# Altium PCB Copy of Hrafn425.PcbDoc (part 1 of 3) (continued)
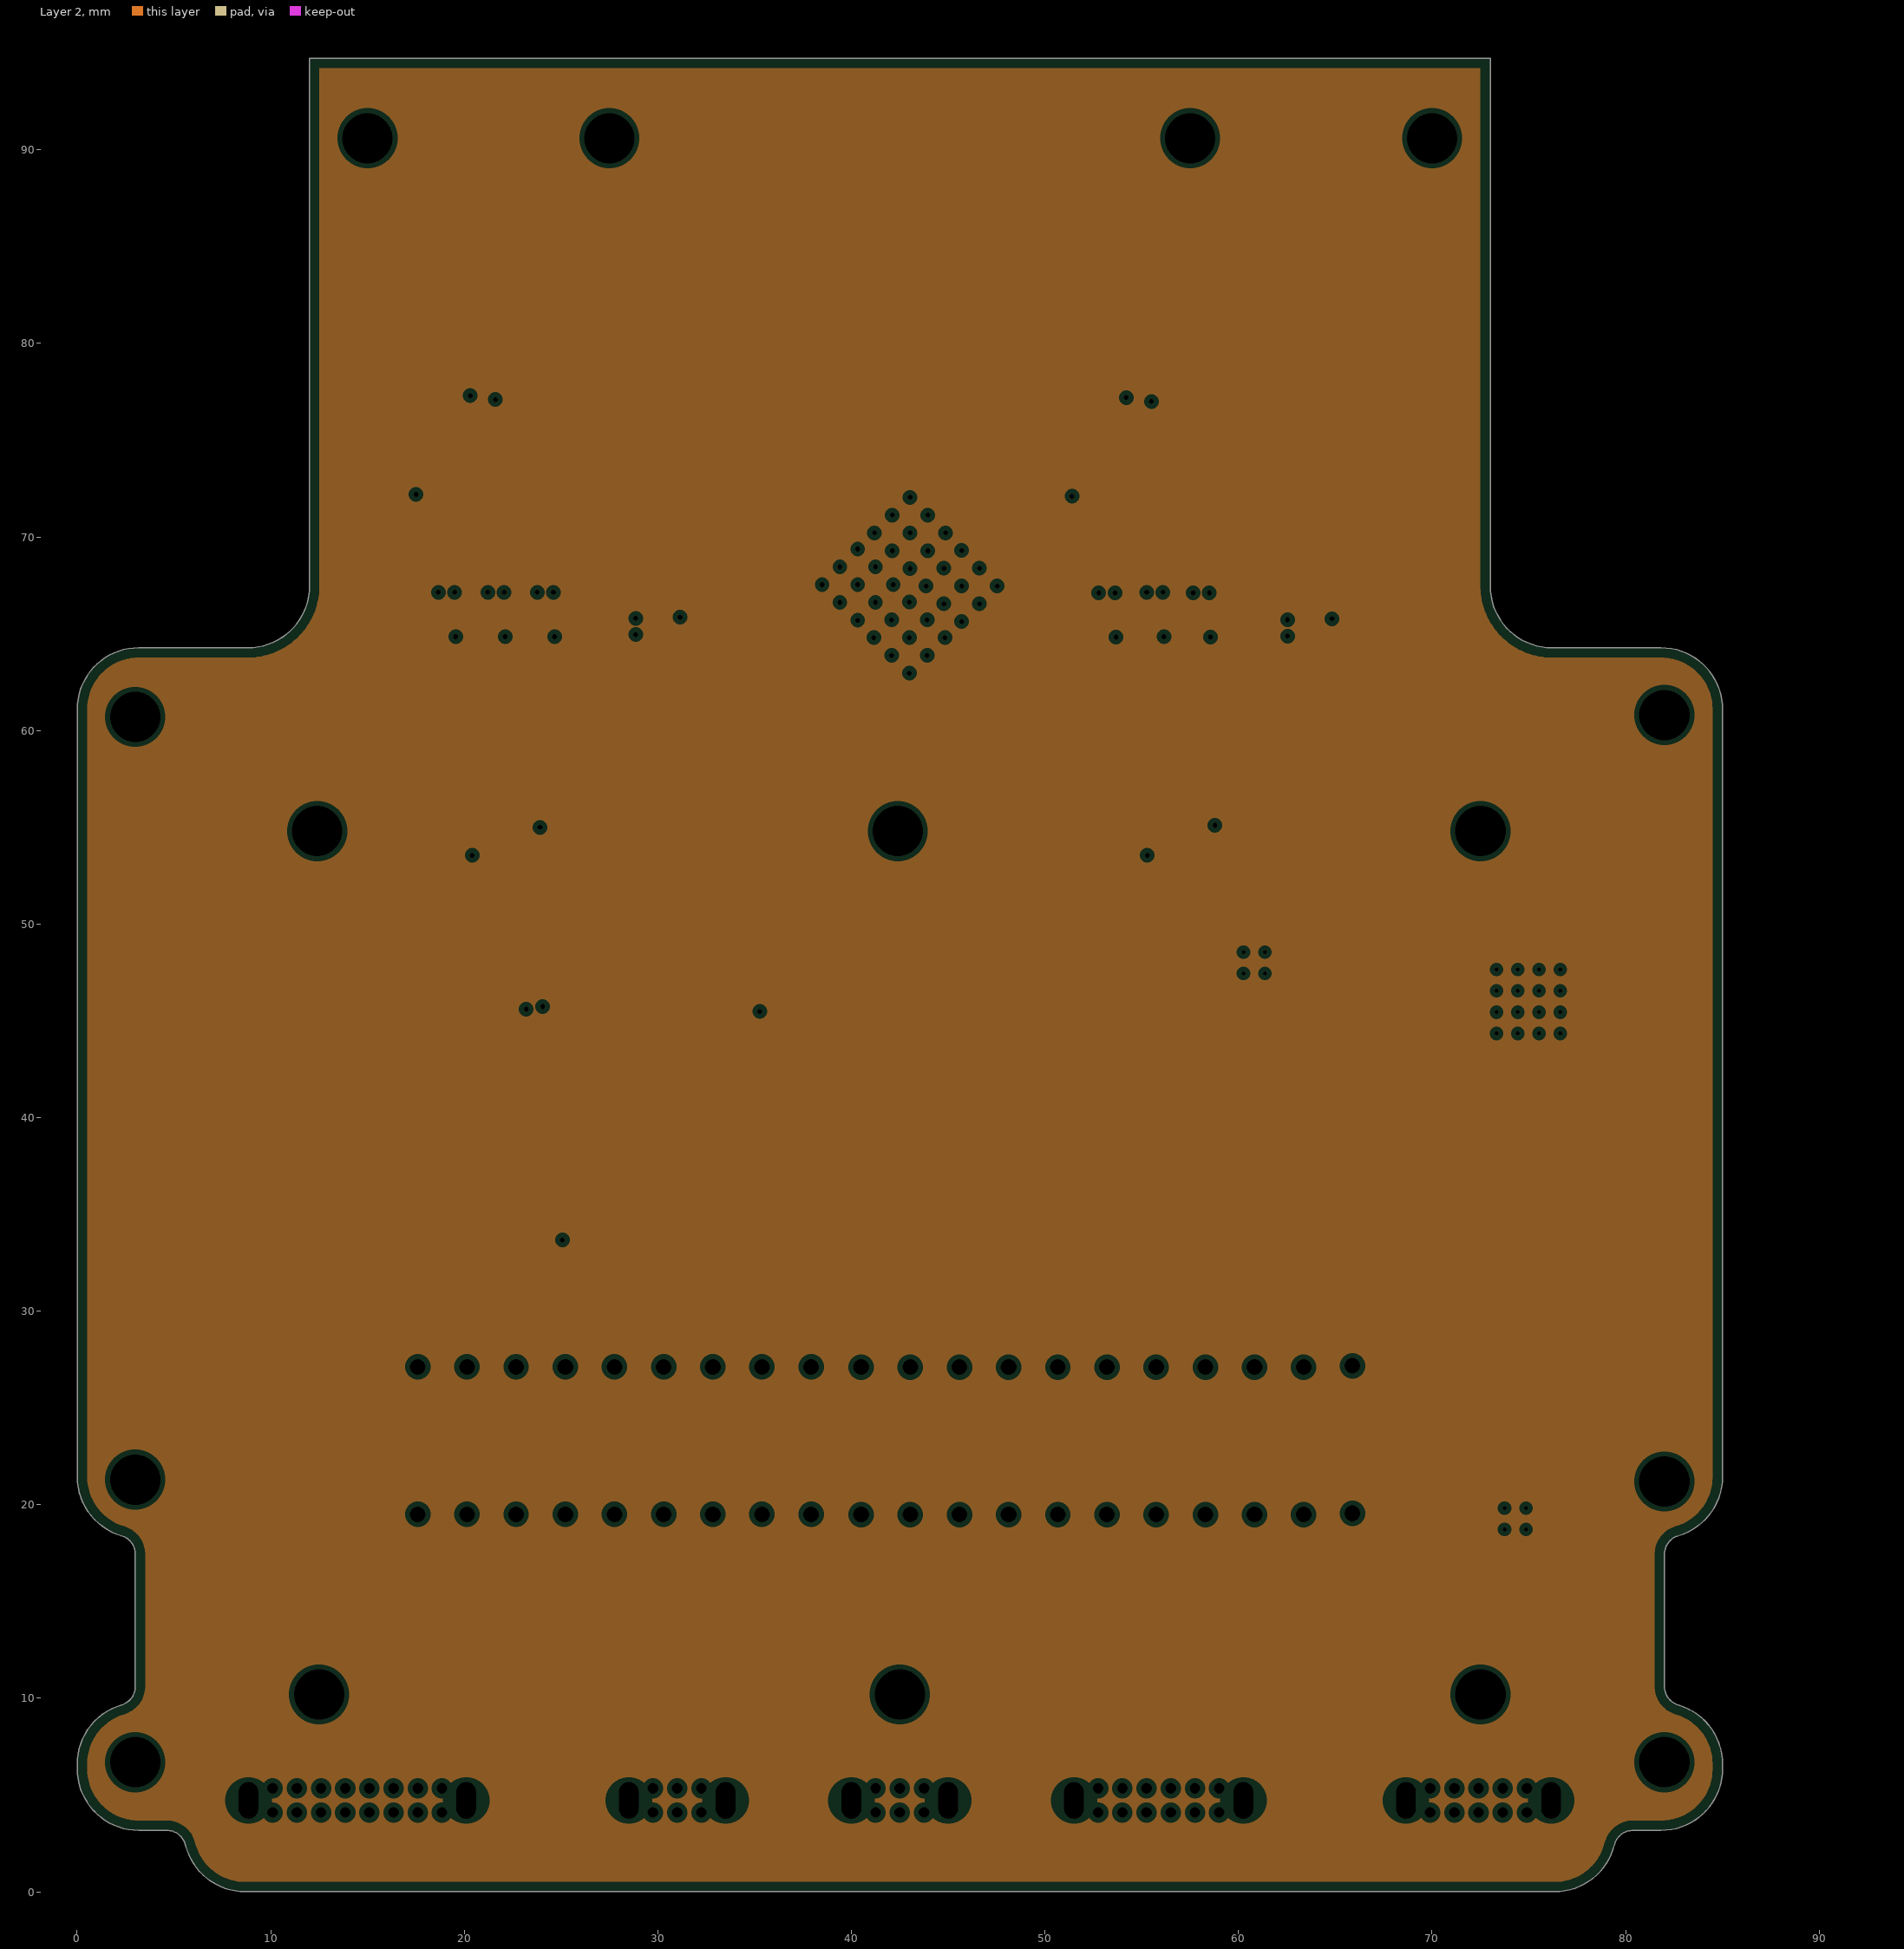
[diagram p3: Layer 2, clearances drawn from the general rule]

## Layer stack, top to bottom
Top Solder: solder mask 0.0254, SM-001, Dk 3.5
Top Layer: signal copper 0.0356
Dielectric 2: prepreg 0.2032, PP-006, Dk 3.68
Layer 1: plane copper 0.035
Dielectric 4: core 0.2032, PP-006, Dk 3.68
Layer 3: signal copper 0.035
Dielectric 1: prepreg 0.2032, FR-4, Dk 3.68
Layer 4: signal copper 0.035
Dielectric 5: core 0.2032, PP-006, Dk 3.68
Layer 2: plane copper 0.035
Dielectric 3: prepreg 0.2032, PP-006, Dk 3.68
Bottom Layer: signal copper 0.0356
Bottom Solder: solder mask 0.0254, SM-001, Dk 3.5

## Board outline
0.006,6.351 0.006,6.606 cw(c3.181,6.606) 2.288,9.653 ccw(c2.006,10.612) 3.006,10.612 3.006,17.44 ccw(c2.006,17.44) 2.288,18.4 cw(c3.181,21.447) 0.006,21.447 0.006,61.101 cw(c3.181,61.101) 3.181,64.276 8.831,64.276 ccw(c8.831,67.451) 12.006,67.451 12.006,94.736 73.006,94.736 73.006,67.451 ccw(c76.181,67.451) 76.181,64.276 81.831,64.276 cw(c81.831,61.101) 85.006,61.101 85.006,21.447 cw(c81.831,21.447) 82.725,18.4 ccw(c83.006,17.44) 82.006,17.44 82.006,10.612 ccw(c83.006,10.612) 82.725,9.653 cw(c81.831,6.606) 85.006,6.606 85.006,6.351 cw(c81.831,6.351) 81.831,3.176 80.384,3.176 ccw(c80.384,2.176) 79.413,2.417 cw(c76.331,3.181) 76.331,0.006 8.681,0.006 cw(c8.681,3.181) 5.6,2.417 ccw(c4.629,2.176) 4.629,3.176 3.181,3.176 cw(c3.181,6.351)

## Design rules (kind name [scope] priority, off if disabled: settings)
Clearance [All] p1: gap=0.152 ignorepadtopadclearanceinfootprint=FALSE
DiffPairsRouting DiffPairsRouting_D100 [InDifferentialPairClass('LVDS')or InDifferentialPairClass('ETH')] p1: maxlimit=0.254 minlimit=0.152 mostfreqgap=0.254 toplayer_maxgap=0.152 toplayer_prefgap=0.152 toplayer_minwidth=0.254 toplayer_maxwidth=0.254 toplayer_prefwidth=0.254 midlayer1_mingap=0.254 midlayer1_minwidth=0.152 midlayer1_maxwidth=0.152 midlayer1_prefwidth=0.152 midlayer2_mingap=0.254 midlayer2_minwidth=0.152 midlayer2_maxwidth=0.152 midlayer2_prefwidth=0.152 bottomlayer_maxgap=0.152 bottomlayer_prefgap=0.152 bottomlayer_minwidth=0.254 bottomlayer_maxwidth=0.254 bottomlayer_prefwidth=0.254 substack1={67D326D4-2BAD-4B30-875B-1923DE4581FA} toplayer_{67d326d4-2bad-4b30-875b-1923de4581fa}_mingap=0.127 toplayer_{67d326d4-2bad-4b30-875b-1923de4581fa}_maxgap=0.127 toplayer_{67d326d4-2bad-4b30-875b-1923de4581fa}_prefgap=0.127 toplayer_{67d326d4-2bad-4b30-875b-1923de4581fa}_minwidth=0.448 toplayer_{67d326d4-2bad-4b30-875b-1923de4581fa}_maxwidth=0.448 toplayer_{67d326d4-2bad-4b30-875b-1923de4581fa}_prefwidth=0.448 midlayer1_{67d326d4-2bad-4b30-875b-1923de4581fa}_mingap=0.127 midlayer1_{67d326d4-2bad-4b30-875b-1923de4581fa}_maxgap=0.127 midlayer1_{67d326d4-2bad-4b30-875b-1923de4581fa}_prefgap=0.127 midlayer1_{67d326d4-2bad-4b30-875b-1923de4581fa}_minwidth=0.089 midlayer1_{67d326d4-2bad-4b30-875b-1923de4581fa}_maxwidth=0.089 midlayer1_{67d326d4-2bad-4b30-875b-1923de4581fa}_prefwidth=0.089 midlayer2_{67d326d4-2bad-4b30-875b-1923de4581fa}_mingap=0.127 midlayer2_{67d326d4-2bad-4b30-875b-1923de4581fa}_maxgap=0.127 midlayer2_{67d326d4-2bad-4b30-875b-1923de4581fa}_prefgap=0.127 midlayer2_{67d326d4-2bad-4b30-875b-1923de4581fa}_minwidth=0.089 midlayer2_{67d326d4-2bad-4b30-875b-1923de4581fa}_maxwidth=0.089 midlayer2_{67d326d4-2bad-4b30-875b-1923de4581fa}_prefwidth=0.089 bottomlayer_{67d326d4-2bad-4b30-875b-1923de4581fa}_mingap=0.127 bottomlayer_{67d326d4-2bad-4b30-875b-1923de4581fa}_maxgap=0.127 bottomlayer_{67d326d4-2bad-4b30-875b-1923de4581fa}_prefgap=0.127 bottomlayer_{67d326d4-2bad-4b30-875b-1923de4581fa}_minwidth=0.448 bottomlayer_{67d326d4-2bad-4b30-875b-1923de4581fa}_maxwidth=0.448 bottomlayer_{67d326d4-2bad-4b30-875b-1923de4581fa}_prefwidth=0.448 substack2={16808B34-71B6-40C0-A765-930C5F9798F1} toplayer_{16808b34-71b6-40c0-a765-930c5f9798f1}_maxgap=0.152 toplayer_{16808b34-71b6-40c0-a765-930c5f9798f1}_prefgap=0.152 toplayer_{16808b34-71b6-40c0-a765-930c5f9798f1}_minwidth=0.203 toplayer_{16808b34-71b6-40c0-a765-930c5f9798f1}_maxwidth=0.203 toplayer_{16808b34-71b6-40c0-a765-930c5f9798f1}_prefwidth=0.203 midlayer1_{16808b34-71b6-40c0-a765-930c5f9798f1}_mingap=0.254 midlayer1_{16808b34-71b6-40c0-a765-930c5f9798f1}_minwidth=0.152 midlayer1_{16808b34-71b6-40c0-a765-930c5f9798f1}_maxwidth=0.152 midlayer1_{16808b34-71b6-40c0-a765-930c5f9798f1}_prefwidth=0.152 midlayer2_{16808b34-71b6-40c0-a765-930c5f9798f1}_mingap=0.254 midlayer2_{16808b34-71b6-40c0-a765-930c5f9798f1}_minwidth=0.152 midlayer2_{16808b34-71b6-40c0-a765-930c5f9798f1}_maxwidth=0.152 midlayer2_{16808b34-71b6-40c0-a765-930c5f9798f1}_prefwidth=0.152 bottomlayer_{16808b34-71b6-40c0-a765-930c5f9798f1}_maxgap=0.152 bottomlayer_{16808b34-71b6-40c0-a765-930c5f9798f1}_prefgap=0.152 bottomlayer_{16808b34-71b6-40c0-a765-930c5f9798f1}_minwidth=0.203 bottomlayer_{16808b34-71b6-40c0-a765-930c5f9798f1}_maxwidth=0.203 bottomlayer_{16808b34-71b6-40c0-a765-930c5f9798f1}_prefwidth=0.203 impedanceprofiledriven=TRUE impedanceprofileid={69A33F8F-8579-4D11-B8CC-848A183BF1A3} impedanceprofilevalue=100.000000 maxuncoupledlength=12.7
DiffPairsRouting [All] p2: maxlimit=0.254 minlimit=0.152 mostfreqgap=0.203 toplayer_minwidth=0.152 toplayer_maxwidth=0.254 toplayer_prefwidth=0.203 midlayer1_minwidth=0.152 midlayer1_maxwidth=0.254 midlayer1_prefwidth=0.203 midlayer2_minwidth=0.152 midlayer2_maxwidth=0.254 midlayer2_prefwidth=0.203 bottomlayer_minwidth=0.152 bottomlayer_maxwidth=0.254 bottomlayer_prefwidth=0.203 substack1={67D326D4-2BAD-4B30-875B-1923DE4581FA} toplayer_{67d326d4-2bad-4b30-875b-1923de4581fa}_minwidth=0.381 toplayer_{67d326d4-2bad-4b30-875b-1923de4581fa}_maxwidth=0.381 toplayer_{67d326d4-2bad-4b30-875b-1923de4581fa}_prefwidth=0.381 midlayer1_{67d326d4-2bad-4b30-875b-1923de4581fa}_minwidth=0.381 midlayer1_{67d326d4-2bad-4b30-875b-1923de4581fa}_maxwidth=0.381 midlayer1_{67d326d4-2bad-4b30-875b-1923de4581fa}_prefwidth=0.381 midlayer2_{67d326d4-2bad-4b30-875b-1923de4581fa}_minwidth=0.381 midlayer2_{67d326d4-2bad-4b30-875b-1923de4581fa}_maxwidth=0.381 midlayer2_{67d326d4-2bad-4b30-875b-1923de4581fa}_prefwidth=0.381 bottomlayer_{67d326d4-2bad-4b30-875b-1923de4581fa}_minwidth=0.381 bottomlayer_{67d326d4-2bad-4b30-875b-1923de4581fa}_maxwidth=0.381 bottomlayer_{67d326d4-2bad-4b30-875b-1923de4581fa}_prefwidth=0.381 substack2={16808B34-71B6-40C0-A765-930C5F9798F1} toplayer_{16808b34-71b6-40c0-a765-930c5f9798f1}_minwidth=0.381 toplayer_{16808b34-71b6-40c0-a765-930c5f9798f1}_maxwidth=0.381 toplayer_{16808b34-71b6-40c0-a765-930c5f9798f1}_prefwidth=0.381 midlayer1_{16808b34-71b6-40c0-a765-930c5f9798f1}_minwidth=0.381 midlayer1_{16808b34-71b6-40c0-a765-930c5f9798f1}_maxwidth=0.381 midlayer1_{16808b34-71b6-40c0-a765-930c5f9798f1}_prefwidth=0.381 midlayer2_{16808b34-71b6-40c0-a765-930c5f9798f1}_minwidth=0.381 midlayer2_{16808b34-71b6-40c0-a765-930c5f9798f1}_maxwidth=0.381 midlayer2_{16808b34-71b6-40c0-a765-930c5f9798f1}_prefwidth=0.381 bottomlayer_{16808b34-71b6-40c0-a765-930c5f9798f1}_minwidth=0.381 bottomlayer_{16808b34-71b6-40c0-a765-930c5f9798f1}_maxwidth=0.381 bottomlayer_{16808b34-71b6-40c0-a765-930c5f9798f1}_prefwidth=0.381 maxuncoupledlength=12.7
MinimumSolderMaskSliver [All] p1: minsoldermaskwidth=0.076
PlaneClearance [All] p1: clearance=0.254
PlaneConnect [All] p1: pad.planeconnectstyle=Relief pad.reliefexpansion=0.508 pad.reliefentries=4 pad.reliefconductorwidth=0.254 pad.reliefairgap=0.254 via.planeconnectstyle=Direct via.reliefexpansion=0.508 via.reliefentries=4 via.reliefconductorwidth=0.254 via.reliefairgap=0.254
PolygonConnect [All] p1: thpad.connectstyle=Relief thpad.reliefconductorwidth=0.254 thpad.reliefentries=4 thpad.polygonreliefangle="90 Angle" thpad.airgapwidth=0.254 smdpad.connectstyle=Relief smdpad.reliefconductorwidth=0.254 smdpad.reliefentries=4 smdpad.polygonreliefangle="90 Angle" smdpad.airgapwidth=0.254 via.connectstyle=Direct via.reliefconductorwidth=0.254 via.reliefentries=4 via.polygonreliefangle="90 Angle" via.airgapwidth=0.254
RoomDefinition LCF [InComponentClass('LCF')] p1: confinementstyle=ConfineIn formatcopy=TRUE lockcomponents=FALSE outline 23.935,51.239 31.054,51.239 31.054,45.145 23.217,45.145 23.217,44.871 21.156,44.871 21.156,48.121 21.256,48.121 21.256,50.366 23.935,50.366
RoomDefinition U_Ethernet [InComponentClass('U_Ethernet')] p2: confinementstyle=ConfineIn formatcopy=TRUE lockcomponents=FALSE outline 66.981,2.036 66.981,7.444 67.171,46.379 67.417,49.329 76.094,56.156 79.847,56.194 83.155,56.194 83.155,52.611 82.754,24.646 77.869,2.036
RoomDefinition U_Power_HK [InComponentClass('U_Power_HK')] p3: confinementstyle=ConfineIn formatcopy=TRUE lockcomponents=FALSE outline 1.871,37.271 1.871,56.479 43.421,83.329 44.499,84.016 48.657,84.016 79.079,24.529 79.179,22.829 79.179,20.371 78.829,18.021 78.079,16.221 77.579,15.996 21.819,2.021 7.181,2.021 2.046,25.021
RoomDefinition MF7 [InComponentClass('MF7')] p4: confinementstyle=ConfineIn formatcopy=TRUE lockcomponents=FALSE outline 23.014,70.3 23.014,64 25.414,64 25.414,70.3
RoomDefinition U_Magnetometers [InComponentClass('U_Magnetometers')] p5: confinementstyle=ConfineIn formatcopy=TRUE lockcomponents=FALSE outline 35.069,67.13 37.471,87.779 38.794,89.856 46.506,89.856 47.803,88.403 51.308,66.848 48.679,60.921 45.018,59.051 39.929,58.121 38.829,57.971 36.771,57.971
RoomDefinition U_Hrafn_Top [InComponentClass('U_Hrafn_Top')] p6: confinementstyle=ConfineIn formatcopy=TRUE lockcomponents=FALSE outline 13.971,22.421 13.971,25.179 21.694,32.756 31.721,35.704 50.929,35.704 69.829,35.704 70.679,27.819 70.679,25.761 70.644,16.538 18.32,16.538
RoomDefinition MF6 [InComponentClass('MF6')] p7: confinementstyle=ConfineIn formatcopy=TRUE lockcomponents=FALSE outline 20.462,70.3 20.462,64 22.862,64 22.862,70.3
RoomDefinition MF5 [InComponentClass('MF5')] p8: confinementstyle=ConfineIn formatcopy=TRUE lockcomponents=FALSE outline 17.91,70.3 17.91,64 20.31,64 20.31,70.3
RoomDefinition MF4 [InComponentClass('MF4')] p9: confinementstyle=ConfineIn formatcopy=TRUE lockcomponents=FALSE outline 59.375,64.125 65.675,64.125 65.675,66.525 59.375,66.525
RoomDefinition MF3 [InComponentClass('MF3')] p10: confinementstyle=ConfineIn formatcopy=TRUE lockcomponents=FALSE outline 56.9,70.275 56.9,63.975 59.3,63.975 59.3,70.275
RoomDefinition MF2 [InComponentClass('MF2')] p11: confinementstyle=ConfineIn formatcopy=TRUE lockcomponents=FALSE outline 54.5,70.3 54.5,64 56.9,64 56.9,70.3
RoomDefinition MF1 [InComponentClass('MF1')] p12: confinementstyle=ConfineIn formatcopy=TRUE lockcomponents=FALSE outline 52.025,70.275 52.025,63.975 54.425,63.975 54.425,70.275
RoomDefinition MC2 [InComponentClass('MC2')] p13: confinementstyle=ConfineIn formatcopy=TRUE lockcomponents=FALSE outline 48.246,73.539 48.246,75.854 50.292,86.664 51.603,87.579 59.13,88.145 65.671,88.479 68.129,88.479 70.636,88.145 71.179,76.279 71.179,74.321 69.037,51.443 56.616,51.171 50.958,51.171 48.796,58.146
RoomDefinition MC1 [InComponentClass('MC1')] p14: confinementstyle=ConfineIn formatcopy=TRUE lockcomponents=FALSE outline 14.356,73.639 14.356,75.954 14.447,87.636 25.953,87.636 35.979,84.279 37.289,76.379 37.289,74.421 34.16,51.343 21.739,51.171 16.081,51.171 15.396,58.146
RoomDefinition U_Clock [InComponentClass('U_Clock')] p15: confinementstyle=ConfineIn formatcopy=TRUE lockcomponents=FALSE outline 27.492,1.996 27.492,7.404 38.309,47.056 51.186,47.616 54.894,47.616 55.919,47.479 57.069,45.529 57.369,44.904 57.819,41.254 57.819,34.921 46.665,2.041 34.508,1.996
RoomDefinition U_CAN_Bus [InComponentClass('U_CAN_Bus')] p16: confinementstyle=ConfineIn formatcopy=TRUE lockcomponents=FALSE outline 49.806,2.046 49.806,7.454 56.931,49.779 57.881,50.929 58.981,51.817 61.039,51.817 66.389,51.079 67.814,49.979 67.814,45.621 67.427,38.689 61.944,2.046
RoomDefinition MF8 [InComponentClass('MF8')] p17: confinementstyle=ConfineIn formatcopy=TRUE lockcomponents=FALSE outline 25.7,64.2 32,64.2 32,66.6 25.7,66.6 // wef
RoutingVias RoutingVias_pad [IsPad] p1: holewidth=0.711 width=1.27 viastyle="Through Hole" minholewidth=0.127 minwidth=0.254 maxholewidth=0.711 maxwidth=1.27
RoutingVias [All] p2: holewidth=0.254 width=0.61 viastyle="Through Hole" minholewidth=0.152 minwidth=0.406 maxholewidth=0.711 maxwidth=1.27
SilkToSilkClearance [All] p1: silktosilkclearance=0
SilkToSolderMaskClearance [IsPad] p1: minsilkscreentomaskgap=0.127 clearancetoexposedcopper=TRUE
SolderMaskExpansion SolderMaskExpansion_pad [IsPad or IsVia] p1: expansion=0.051 istentingtop=FALSE
SolderMaskExpansion [All] p2: expansion=0.102 istentingtop=FALSE
Width [All] p1: maxlimit=0.406 minlimit=0.152 preferedwidth=0.203 substack1={67D326D4-2BAD-4B30-875B-1923DE4581FA} substack2={16808B34-71B6-40C0-A765-930C5F9798F1}
24 further rules are at their usual default settings.

## Classes and differential pairs
differential pair class ANALOG_DIFF: OUTAA OUTAB OUTBA OUTBB OUTCA OUTCB
differential pair class LVDS: 800KHZ PPS
differential pair class ETH: A B TPIN TPOUT
channel class Magnetometer_Filter: MF1 MF2 MF3 MF4 MF5 MF6 MF7 MF8
channel class Magnetometer_Channel: MC1 MC2
component class U_Power_HK: C4 C5 C6 C7 C8 C9 C10 C11 C12 C13 C14 C15 C16 C17 C19 C20 C21 C22 C23 C24 C25 C26 C27 C28 C29 C30 C31 C32 C33 C34 C36 C37 C40 C42 C60 C66 C67 C107 C108 D1 D2 D3 D4 D5 D6 FB3 FB4 FL1 J2 L1 P3 Q1 R46 R47 R48 R49 R50 R51 R52 R53 R54 R55 R56 R57 R58 R59 R60 R61 R62 R63 R64 R65 R66 R67 R68 R69 R70 R71 R72 R73 R74 R75 R76 R77 R78 R79 R80 U1 U2 U3 U4 U5 U6 U7 U8 U28
component class U_Magnetometers: C89 C90 C91 C92 C93 C94 C95 C99 C100 C101 C102 C103 C104 C105 C106 C109 C116 C117 R121 R122 R123 R124 R125 R126 R127 R128 R129 R130 R131 R132 U26 U27
component class MF8: C110H C111H C112H R133H R134H
component class MF7: C110G C111G C112G R133G R134G
component class MF6: C110F C111F C112F R133F R134F
component class MF5: C110E C111E C112E R133E R134E
component class MF4: C110D C111D C112D R133D R134D
component class MF3: C110C C111C C112C R133C R134C
component class MF2: C110B C111B C112B R133B R134B
component class MF1: C110A C111A C112A R133A R134A
component class MC1: C38A C39A C41A C43A C44A C45A C46A C47A C48A C49A C50A C51A C52A C53A C54A C55A C61A C62A P4A Q2A Q3A R81A R82A R83A R84A R85A R86A R87A R88A R89A R90A R91A R92A R93A R94A R95A R96A R97A R98A U9A U10A U11A U12A U13A U14A
component class MC2: C38B C39B C41B C43B C44B C45B C46B C47B C48B C49B C50B C51B C52B C53B C54B C55B C61B C62B P4B Q2B Q3B R81B R82B R83B R84B R85B R86B R87B R88B R89B R90B R91B R92B R93B R94B R95B R96B R97B R98B U9B U10B U11B U12B U13B U14B
component class LCF: C63 C64 C65 L2 R102
component class U_Hrafn_Top: FB2 J1 P1 P2 R1 R2 R3 R4 R5 R6 R7 R8 R9 R10 R11 R12 R13 R14 R15 R16 R17 R18 R19 R20 R21 R22 R23 R24 R25 R26 R27 R28 R29 R30 R31 R32 R33 R34 R35 R36 R37 R38 R39 R40 R41 R42 R43 R44 R45 R104
component class U_Ethernet: C68 C69 C70 C71 C72 C73 C75 C76 C77 C81 C85 C86 C87 D15 D16 FB5 FB6 FB7 J5 R106 R107 R108 R109 R111 R112 R113 R114 R115 R116 U21 U22 U23 X1
component class U_Clock: C56 C57 C58 C59 C78 C79 C80 D7 D8 D9 D10 J3 J4 P6 R99 R100 R101 U15 U16 U17 U18
component class U_CAN_Bus: C82 C83 C84 C88 C96 C97 C98 FB8 J6 R103 R117 R118 R119 U24 U25 X2
differential pair OUTCB: +OUTCB_P -OUTCB_N
differential pair OUTCA: +OUTCA_P -OUTCA_N
differential pair OUTBB: +OUTBB_P -OUTBB_N
differential pair OUTBA: +OUTBA_P -OUTBA_N
differential pair OUTAB: +OUTAB_P -OUTAB_N
differential pair OUTAA: +OUTAA_P -OUTAA_N
differential pair TPOUT: +TPOUT_P -TPOUT_N
differential pair TPIN: +TPIN_P -TPIN_N
differential pair PPS: +PPS_P -PPS_N
differential pair B: +B_P -B_N
differential pair A: +A_P -A_N
differential pair 800KHZ: +800KHZ_P -800KHZ_N

## Components (designator, comment, footprint, x,y, rotation, side; value= is the part's Value field where it differs from the comment)
C4 "CGA6P1X7S1A476M250AC" FP-CGA6P-IPC_B 9.8,39.9 r0 top
C5 "CGA6P1X7S1A476M250AC" FP-CGA6P-IPC_B 20.1,34.8 r0 top
C6 "0.1 uF" CAPC1005X55X25LL05T10 51,48.71 r90 top
C7 "0.1 uF" CAPC1005X55X25LL05T10 53,48.71 r90 top
C8 "0.1 uF" CAPC1005X55X25LL05T10 54.8,48.71 r90 top
C9 "0.1 uF" CAPC1005X55X25LL05T10 56.5,48.81 r90 top
C10 "10 uF" CAPC1608X90X20LL10 72.2,22.9 r180 top
C11 "1 uF" CAPC1005X60X30NL05T10 71.3,18.7 r270 top
C12 "0.1 uF" CAPC1005X55X25LL05T10 77.4,17.3 r90 top
C13 "0.1 uF" CAPC1005X55X25LL05T10 24.7,36.1 r0 top
C14 "0.1 uF" CAPC1005X55X25LL05T10 18.23,30.825 r270 top
C15 "CGA6P1X7S1A476M250AC" FP-CGA6P-IPC_B 29.7,32 r180 top
C16 "10 uF" CAPC1608X90X20LL10 30.9,29.8 r0 top
C17 "0.1 uF" CAPC1005X55X25LL05T10 29,29.9 r180 top
C19 "10 uF" CAPC1608X90X20LL10 36.127,52.698 r90 top
C20 "0.1 uF" CAPC1005X55X25LL05T10 37.327,52.698 r90 top
C21 "10 nF" CAPC1005X56X25NL10T15 73.7,23.7 r90 top
C22 "10 nF" CAPC1005X56X25NL10T15 78.4,21.6 r90 top
C23 "0.1 uF" CAPC1005X55X25LL05T10 37.768,45.874 r270 top
C24 "0.27 uF" CAPC1005X55X25LL05T10 11.7,42.6 r0 top
C25 "CGA6P1X7S1A476M250AC" FP-CGA6P-IPC_B 35.9,36.9 r0 top
C26 "10 nF" CAPC1005X56X25NL10T15 44.2,82.1 r90 top
C27 "0.1 uF" CAPC1005X55X25LL05T10 33.168,43.074 r270 top
C28 "10 nF" CAPC1005X56X25NL10T15 46.8,80.5 r180 top
C29 "100pF" CAPC1005X55X25ML05T10 20.6,42.6 r270 top
C30 "3.3 nF" CAPC1005X56X25ML10T15 15.6,40 r0 top
C31 "15 nF" CAPC1005X55X25NL05T10 13.8,40.2 r90 top
C32 "10 uF" CAPC1608X90X20LL10 48.3,48.7 r180 top
C33 "10 uF" CAPC1608X90X20LL10 31.5,46.3 r90 top
C34 "0.1 uF" CAPC1005X55X25LL05T10 31.6,48.4 r90 top
C36 "0.1 uF" CAPC1005X55X25LL05T10 48.1,49.8 r180 top
C37 "10 uF" CAPC1608X90X20LL10 47.7,59.1 r180 top
C38A "0.1 uF" CAPC1608X87X35LL15T15 34.6,83.4 r0 top (schematic designator C38)
C38B "0.1 uF" CAPC1608X87X35LL15T15 49.9,77.7 r270 top (schematic designator C38)
C39A "22uF" FP-GRM18-0_2-MFG 22.31,53.8 r90 top (schematic designator C39)
C39B "22uF" FP-GRM18-0_2-MFG 57.187,53.8 r90 top (schematic designator C39)
C40 "0.1 uF" CAPC1005X55X25LL05T10 47.4,60.2 r180 top
C41A "0.1 uF" CAPC1005X55X25LL05T10 29.71,79.758 r90 top (schematic designator C41)
C41B "0.1 uF" CAPC1005X55X25LL05T10 52.642,80.9 r180 top (schematic designator C41)
C42 "0.1 uF" CAPC1005X55X25LL05T10 50.7,53 r90 top
C43A "1 uF" CAPC1005X60X30NL05T10 35.61,79.568 r90 top (schematic designator C43)
C43B "1 uF" CAPC1005X60X30NL05T10 52.832,86.8 r180 top (schematic designator C43)
C44A "4.7uF" CAPC1608X90X35LL10T15 29.91,53.8 r90 top (schematic designator C44)
C44B "4.7uF" CAPC1608X90X35LL10T15 64.787,53.9 r90 top (schematic designator C44)
C45A "1 uF" CAPC1005X60X30NL05T10 17.3,79.2 r180 top (schematic designator C45)
C45B "1 uF" CAPC1005X60X30NL05T10 66.9,87.7 r0 top (schematic designator C45)
C46A "0.1 uF" CAPC0402(1005)60_L 20.7,55.7 r180 top value=100nF (schematic designator C46)
C46B "0.1 uF" CAPC0402(1005)60_L 55.687,55.6 r180 top value=100nF (schematic designator C46)
C47A "470 pF" CAPC1005X55X25LL05T10 18.91,75.9 r0 top (schematic designator C47)
C47B "470 pF" CAPC1005X55X25LL05T10 52.8,75.8 r0 top (schematic designator C47)
C48A "470 pF" CAPC1005X55X25LL05T10 32.71,77.1 r0 top (schematic designator C48)
C48B "470 pF" CAPC1005X55X25LL05T10 66.6,77 r0 top (schematic designator C48)
C49A "470 pF" CAPC1005X55X25LL05T10 26.91,74.2 r90 top (schematic designator C49)
C49B "470 pF" CAPC1005X55X25LL05T10 60.8,74.1 r90 top (schematic designator C49)
C50A "0.1 uF" CAPC0402(1005)60_L 20.31,76 r270 top value=100nF (schematic designator C50)
C50B "0.1 uF" CAPC0402(1005)60_L 54.2,75.9 r270 top value=100nF (schematic designator C50)
C51A "0.1 uF" CAPC1608X87X35LL15T15 35.61,76.8 r0 top (schematic designator C51)
C51B "0.1 uF" CAPC1608X87X35LL15T15 69.5,76.7 r0 top (schematic designator C51)
C52A "1 uF" CAPC1005X60X30NL05T10 25.71,74.6 r270 top (schematic designator C52)
C52B "1 uF" CAPC1005X60X30NL05T10 59.6,74.5 r270 top (schematic designator C52)
C53A "22 nF" CAPC1005X55X25ML05T10 19.21,71 r0 top (schematic designator C53)
C53B "22 nF" CAPC1005X55X25ML05T10 53.1,70.9 r0 top (schematic designator C53)
C54A "22 nF" CAPC1005X55X25ML05T10 34.71,69.1 r180 top (schematic designator C54)
C54B "22 nF" CAPC1005X55X25ML05T10 68.6,69 r180 top (schematic designator C54)
C55A "22 nF" CAPC1005X55X25ML05T10 29.91,70.7 r90 top (schematic designator C55)
C55B "22 nF" CAPC1005X55X25ML05T10 63.8,70.6 r90 top (schematic designator C55)
C56 "0.1 uF" CAPC1005X55X30LL05T10 44.19,46.1 r180 top
C57 "0.1 uF" CAPC1005X55X30LL05T10 55.99,44.85 r0 top
C58 "0.1 uF" CAPC1005X55X30LL05T10 48.99,46.1 r180 top
C59 "0.1 uF" CAPC1005X55X30LL05T10 50.69,46.1 r0 top
C60 "CGA6P1X7S1A476M250AC" FP-CGA6P-IPC_B 34.9,49.1 r180 top
C61A "10 uF" CAPC1608X90X20LL10 30.71,79.768 r90 top (schematic designator C61)
C61B "10 uF" CAPC1608X90X20LL10 52.632,81.9 r180 top (schematic designator C61)
C62A "10 uF" CAPC1608X90X20LL10 26.684,77.082 r90 top (schematic designator C62)
C62B "10 uF" CAPC1608X90X20LL10 60.574,76.982 r90 top (schematic designator C62)
C63 "0.1 uF" CAPC1005X55X25LL05T10 23.5,46.8 r270 top
C64 "10 uF" CAPC1608X90X20LL10 23.4,49 r270 top
C65 "10 uF" CAPC1608X90X20LL10 22.1,49 r270 top